# Altium PCB flexi_ethernet_w5500_solo.pcbdoc (part 6 of 7) (continued)
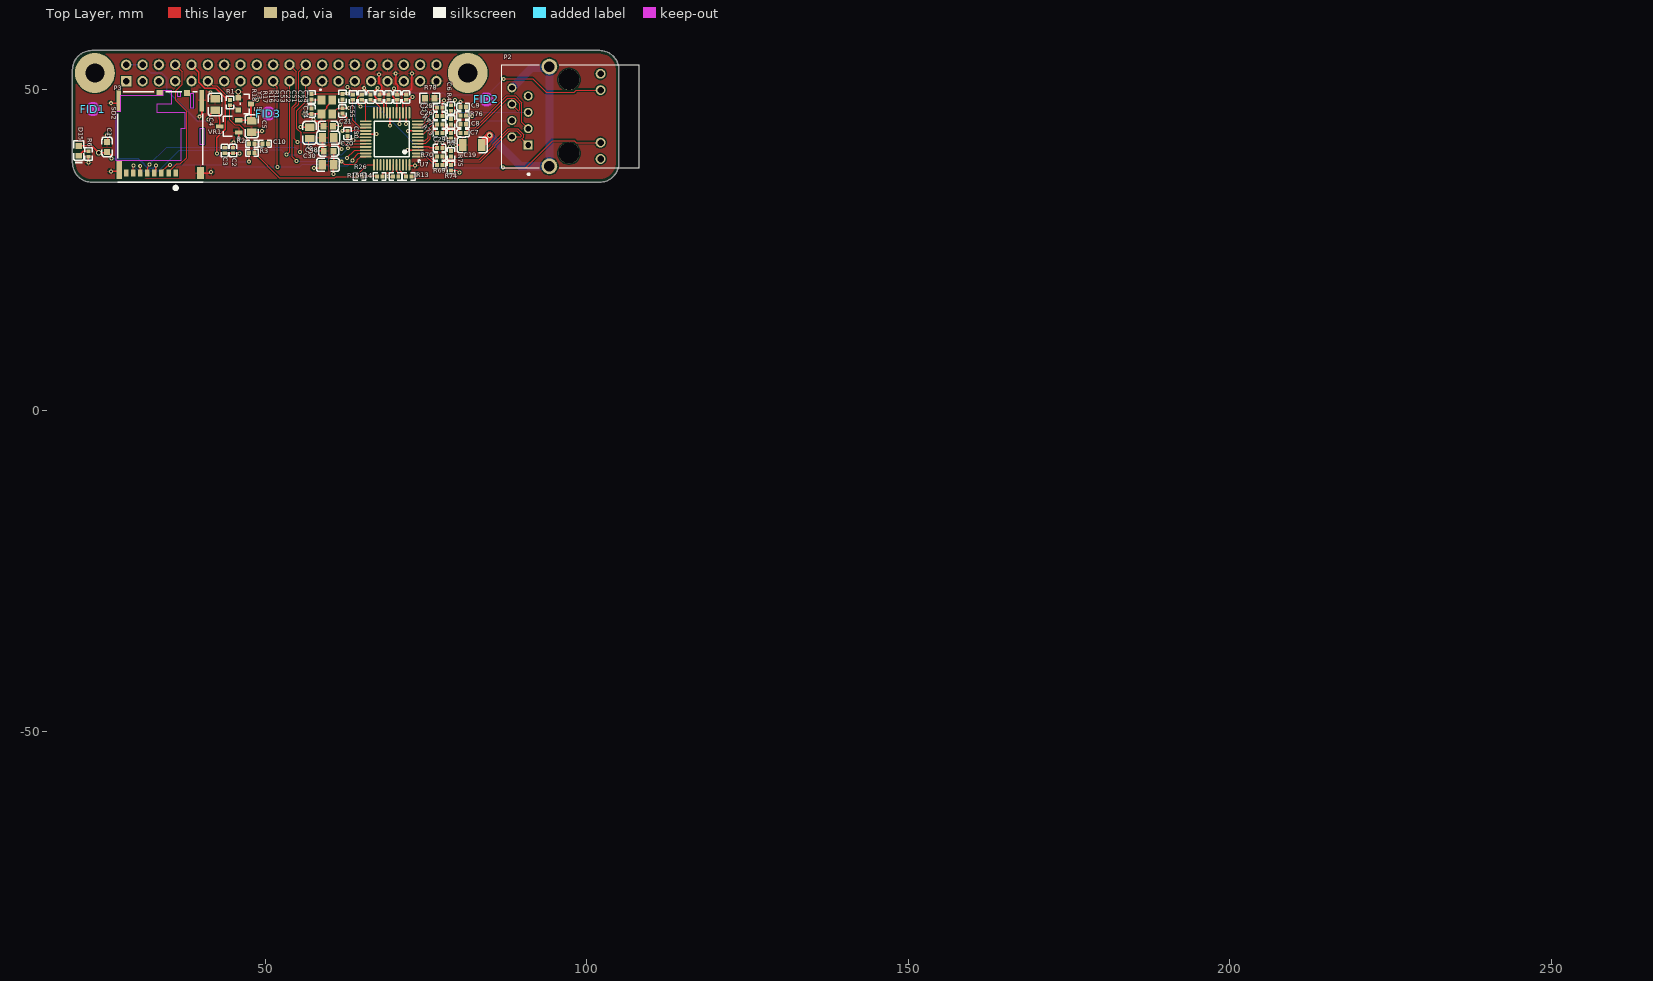
[diagram p0: Top Layer view]
## Free pads (board coordinates) (continued)
1(248.261,-74.042) 1(248.273,-78.78) 1(248.273,-78.78) 1(248.283,-72.633) 1(248.283,-72.633) 1(248.306,-72.655) 1(248.306,-72.655) 1(248.318,-74.053) 1(248.318,-74.053) 1(248.34,-72.655) 1(248.34,-72.655) 1(248.375,-78.745) 1(248.375,-78.745) 1(248.443,-72.702) 1(248.443,-72.702) 1(248.454,-77.711) 1(248.454,-77.711) 1(248.465,-74.132) 1(248.465,-74.132) 1(248.477,-78.734) 1(248.477,-78.734) 1(248.488,-72.702) 1(248.488,-72.702) 1(248.5,-77.689) 1(248.5,-77.689) 1(248.534,-72.735) 1(248.534,-72.735) 1(248.557,-74.156) 1(248.557,-74.156) 1(248.567,-72.735) 1(248.567,-72.735) 1(248.579,-78.7) 1(248.579,-78.7) 1(248.59,-72.758) 1(248.59,-72.758) 1(248.624,-72.758) 1(248.624,-72.758) 1(248.647,-77.678) 1(248.647,-77.678) 1(248.647,-74.212) 1(248.647,-74.212) 1(248.647,-72.781) 1(248.647,-72.781) 1(248.681,-78.689) 1(248.681,-78.689) 1(248.681,-72.781) 1(248.681,-72.781) 1(248.704,-74.224) 1(248.704,-74.224) 1(248.704,-72.804) 1(248.704,-72.804) 1(248.738,-72.804) 1(248.738,-72.804) 1(248.784,-78.655) 1(248.784,-78.655) 1(248.806,-77.632) 1(248.806,-77.632) 1(248.818,-74.292) 1(248.818,-74.292) 1(248.818,-72.849) 1(248.818,-72.849) 1(248.851,-72.849) 1(248.851,-72.849) 1(248.875,-74.303) 1(248.875,-74.303) 1(248.875,-72.872) 1(248.875,-72.872) 1(248.886,-78.643) 1(248.886,-78.643) 1(248.908,-72.872) 1(248.908,-72.872) 1(248.931,-74.337) 1(248.931,-74.337) 1(248.954,-77.621) 1(248.954,-77.621) 1(248.988,-78.61) 1(248.988,-78.61) 1(248.988,-74.349) 1(248.988,-74.349) 1(249.022,-72.939) 1(249.022,-72.939) 1(249.056,-72.939) 1(249.056,-72.939) 1(249.079,-74.406) 1(249.079,-74.406) 1(249.079,-72.963) 1(249.079,-72.963) 1(249.09,-78.598) 1(249.09,-78.598) 1(249.113,-77.575) 1(249.113,-77.575) 1(249.113,-72.963) 1(249.113,-72.963) 1(249.135,-74.416) 1(249.135,-74.416) 1(249.135,-72.986) 1(249.135,-72.986) 1(249.17,-72.986) 1(249.17,-72.986) 1(249.249,-78.553) 1(249.249,-78.553) 1(249.272,-77.552) 1(249.272,-77.552) 1(249.397,-74.553) 1(249.397,-74.553) 1(249.409,-78.53) 1(249.409,-78.53) 1(249.42,-77.507) 1(249.42,-77.507) 1(249.454,-73.133) 1(249.454,-73.133) 1(249.488,-73.133) 1(249.488,-73.133) 1(249.568,-74.644) 1(249.568,-74.644) 1(249.625,-74.655) 1(249.625,-74.655) 1(249.636,-77.484) 1(249.636,-77.484) 1(249.727,-78.439) 1(249.727,-78.439) 1(249.738,-73.27) 1(249.738,-73.27) 1(249.772,-73.27) 1(249.772,-73.27) 1(249.817,-77.439) 1(249.817,-77.439) 1(249.886,-73.337) 1(249.886,-73.337) 1(249.897,-77.405) 1(249.897,-77.405) 1(249.92,-73.337) 1(249.92,-73.337) 1(249.931,-73.36) 1(249.931,-73.36) 1(249.954,-73.36) 1(249.954,-73.36) 1(249.965,-74.837) 1(249.965,-74.837) 1(249.988,-73.394) 1(249.988,-73.394) 1(250.011,-73.394) 1(250.011,-73.394) 1(250.091,-73.451) 1(250.091,-73.451) 1(250.113,-73.451) 1(250.113,-73.451) 1(250.215,-77.348) 1(250.215,-77.348) 1(250.318,-73.564) 1(250.318,-73.564) 1(250.352,-73.564) 1(250.352,-73.564) 1(250.363,-73.587) 1(250.363,-73.587) 1(250.385,-73.587) 1(250.385,-73.587) 1(250.42,-73.621) 1(250.42,-73.621) 1(250.431,-75.064) 1(250.431,-75.064) 1(250.442,-73.621) 1(250.442,-73.621) 1(250.465,-77.291) 1(250.465,-77.291) 1(250.465,-75.098) 1(250.465,-75.098) 1(250.499,-75.11) 1(250.499,-75.11) 1(250.522,-73.678) 1(250.522,-73.678) 1(250.545,-77.257) 1(250.545,-77.257) 1(250.545,-73.678) 1(250.545,-73.678) 1(250.579,-75.167) 1(250.579,-75.167) 1(250.647,-73.735) 1(250.647,-73.735) 1(250.659,-75.212) 1(250.659,-75.212) 1(250.681,-73.769) 1(250.681,-73.769) 1(250.704,-73.769) 1(250.704,-73.769) 1(250.738,-73.803) 1(250.738,-73.803) 1(250.761,-78.177) 1(250.761,-78.177) 1(250.761,-73.803) 1(250.761,-73.803) 1(250.794,-73.838) 1(250.794,-73.838) 1(250.818,-73.838) 1(250.818,-73.838) 1(250.84,-78.166) 1(250.84,-78.166) 1(250.851,-73.871) 1(250.851,-73.871) 1(250.874,-77.2) 1(250.874,-77.2) 1(250.874,-73.871) 1(250.874,-73.871) 1(250.896,-75.337) 1(250.896,-75.337) 1(250.92,-78.132) 1(250.92,-78.132) 1(250.965,-73.928) 1(250.965,-73.928) 1(250.976,-75.382) 1(250.976,-75.382) 1(250.999,-78.12) 1(250.999,-78.12) 1(251.045,-77.143) 1(251.045,-77.143) 1(251.045,-73.985) 1(251.045,-73.985) 1(251.056,-75.428) 1(251.056,-75.428) 1(251.067,-73.985) 1(251.067,-73.985) 1(251.078,-78.087) 1(251.078,-78.087) 1(251.078,-74.008) 1(251.078,-74.008) 1(251.102,-74.008) 1(251.102,-74.008) 1(251.135,-75.474) 1(251.135,-75.474) 1(251.135,-74.042) 1(251.135,-74.042) 1(251.158,-78.075) 1(251.158,-78.075) 1(251.158,-74.042) 1(251.158,-74.042) 1(251.215,-77.109) 1(251.215,-77.109) 1(251.215,-75.519) 1(251.215,-75.519) 1(251.237,-78.041) 1(251.237,-78.041) 1(251.249,-74.099) 1(251.249,-74.099) 1(251.294,-75.564) 1(251.294,-75.564) 1(251.317,-78.03) 1(251.317,-78.03) 1(251.329,-74.156) 1(251.329,-74.156) 1(251.351,-74.156) 1(251.351,-74.156) 1(251.362,-74.179) 1(251.362,-74.179) 1(251.374,-75.609) 1(251.374,-75.609) 1(251.386,-74.179) 1(251.386,-74.179) 1(251.397,-77.995) 1(251.397,-77.995) 1(251.397,-74.201) 1(251.397,-74.201) 1(251.419,-74.201) 1(251.419,-74.201) 1(251.431,-75.632) 1(251.431,-75.632) 1(251.431,-74.224) 1(251.431,-74.224) 1(251.454,-77.053) 1(251.454,-77.053) 1(251.454,-74.224) 1(251.454,-74.224) 1(251.465,-74.246) 1(251.465,-74.246) 1(251.476,-77.985) 1(251.476,-77.985) 1(251.488,-74.246) 1(251.488,-74.246) 1(251.499,-74.269) 1(251.499,-74.269) 1(251.511,-75.689) 1(251.511,-75.689) 1(251.521,-74.269) 1(251.521,-74.269) 1(251.533,-77.019) 1(251.533,-77.019) 1(251.533,-74.292) 1(251.533,-74.292) 1(251.544,-75.701) 1(251.544,-75.701) 1(251.556,-77.95) 1(251.556,-77.95) 1(251.556,-74.292) 1(251.556,-74.292) 1(251.59,-74.326) 1(251.59,-74.326) 1(251.613,-74.326) 1(251.613,-74.326) 1(251.635,-77.938) 1(251.635,-77.938) 1(251.635,-77.007) 1(251.635,-77.007) 1(251.635,-75.769) 1(251.635,-75.769) 1(251.658,-74.371) 1(251.658,-74.371) 1(251.681,-74.371) 1(251.681,-74.371) 1(251.703,-74.406) 1(251.703,-74.406) 1(251.715,-76.973) 1(251.715,-76.973) 1(251.715,-75.814) 1(251.715,-75.814) 1(251.726,-74.406) 1(251.726,-74.406) 1(251.749,-74.44) 1(251.749,-74.44) 1(251.76,-77.893) 1(251.76,-77.893) 1(251.772,-75.837) 1(251.772,-75.837) 1(251.772,-74.44) 1(251.772,-74.44) 1(251.783,-74.463) 1(251.783,-74.463) 1(251.805,-74.463) 1(251.805,-74.463) 1(251.817,-74.485) 1(251.817,-74.485) 1(251.84,-74.485) 1(251.84,-74.485) 1(251.852,-75.893) 1(251.852,-75.893) 1(251.874,-76.951) 1(251.874,-76.951) 1(251.874,-74.519) 1(251.874,-74.519) 1(251.885,-77.871) 1(251.885,-77.871) 1(251.897,-74.519) 1(251.897,-74.519) 1(251.931,-75.928) 1(251.931,-75.928) 1(251.942,-74.565) 1(251.942,-74.565) 1(251.965,-77.836) 1(251.965,-77.836) 1(251.965,-75.962) 1(251.965,-75.962) 1(251.965,-74.565) 1(251.965,-74.565) 1(251.987,-74.598) 1(251.987,-74.598) 1(251.999,-76.905) 1(251.999,-76.905) 1(251.999,-75.973) 1(251.999,-75.973) 1(252.01,-74.598) 1(252.01,-74.598) 1(252.033,-76.007) 1(252.033,-76.007) 1(252.033,-74.633) 1(252.033,-74.633) 1(252.044,-77.825) 1(252.044,-77.825) 1(252.056,-74.633) 1(252.056,-74.633) 1(252.067,-76.019) 1(252.067,-76.019) 1(252.067,-74.655) 1(252.067,-74.655) 1(252.089,-74.655) 1(252.089,-74.655) 1(252.101,-76.053) 1(252.101,-76.053) 1(252.101,-74.678) 1(252.101,-74.678) 1(252.124,-77.791) 1(252.124,-77.791) 1(252.124,-76.882) 1(252.124,-76.882) 1(252.124,-74.678) 1(252.124,-74.678) 1(252.136,-76.064) 1(252.136,-76.064) 1(252.158,-74.712) 1(252.158,-74.712) 1(252.169,-76.098) 1(252.169,-76.098) 1(252.181,-74.712) 1(252.181,-74.712) 1(252.203,-77.78) 1(252.203,-77.78) 1(252.203,-76.849) 1(252.203,-76.849) 1(252.203,-76.11) 1(252.203,-76.11) 1(252.226,-74.757) 1(252.226,-74.757) 1(252.249,-74.757) 1(252.249,-74.757) 1(252.271,-74.792) 1(252.271,-74.792) 1(252.283,-77.746) 1(252.283,-77.746) 1(252.294,-76.177) 1(252.294,-76.177) 1(252.294,-74.792) 1(252.294,-74.792) 1(252.317,-74.826) 1(252.317,-74.826) 1(252.328,-76.189) 1(252.328,-76.189) 1(252.34,-74.826) 1(252.34,-74.826) 1(252.351,-74.849) 1(252.351,-74.849) 1(252.363,-77.734) 1(252.363,-77.734) 1(252.373,-76.814) 1(252.373,-76.814) 1(252.373,-74.849) 1(252.373,-74.849) 1(252.385,-74.871) 1(252.385,-74.871) 1(252.408,-76.246) 1(252.408,-76.246) 1(252.408,-74.871) 1(252.408,-74.871) 1(252.42,-74.894) 1(252.42,-74.894) 1(252.442,-77.701) 1(252.442,-77.701) 1(252.442,-76.257) 1(252.442,-76.257) 1(252.442,-74.894) 1(252.442,-74.894) 1(252.453,-74.917) 1(252.453,-74.917) 1(252.476,-74.917) 1(252.476,-74.917) 1(252.499,-74.951) 1(252.499,-74.951) 1(252.522,-77.689) 1(252.522,-77.689) 1(252.522,-76.314) 1(252.522,-76.314) 1(252.522,-74.951) 1(252.522,-74.951) 1(252.544,-76.757) 1(252.544,-76.757) 1(252.544,-74.985) 1(252.544,-74.985) 1(252.555,-76.326) 1(252.555,-76.326) 1(252.567,-74.985) 1(252.567,-74.985) 1(252.59,-76.359) 1(252.59,-76.359) 1(252.59,-75.019) 1(252.59,-75.019) 1(252.601,-77.654) 1(252.601,-77.654) 1(252.612,-75.019) 1(252.612,-75.019) 1(252.624,-76.371) 1(252.624,-76.371) 1(252.635,-75.053) 1(252.635,-75.053) 1(252.658,-76.405) 1(252.658,-76.405) 1(252.658,-75.053) 1(252.658,-75.053) 1(252.669,-76.735) 1(252.669,-76.735) 1(252.669,-75.076) 1(252.669,-75.076) 1(252.681,-77.644) 1(252.681,-77.644) 1(252.692,-76.416) 1(252.692,-76.416) 1(252.692,-75.076) 1(252.692,-75.076) 1(252.704,-75.098) 1(252.704,-75.098) 1(252.726,-76.451) 1(252.726,-76.451) 1(252.726,-75.098) 1(252.726,-75.098) 1(252.737,-75.121) 1(252.737,-75.121) 1(252.749,-77.609) 1(252.749,-77.609) 1(252.76,-76.462) 1(252.76,-76.462) 1(252.76,-75.121) 1(252.76,-75.121) 1(252.783,-75.155) 1(252.783,-75.155) 1(252.794,-76.689) 1(252.794,-76.689) 1(252.794,-76.496) 1(252.794,-76.496) 1(252.806,-75.155) 1(252.806,-75.155) 1(252.828,-77.598) 1(252.828,-77.598) 1(252.828,-76.508) 1(252.828,-76.508) 1(252.828,-75.19) 1(252.828,-75.19) 1(252.851,-75.19) 1(252.851,-75.19) 1(252.863,-76.541) 1(252.863,-76.541) 1(252.874,-76.678) 1(252.874,-76.678) 1(252.874,-75.223) 1(252.874,-75.223) 1(252.896,-75.223) 1(252.896,-75.223) 1(252.919,-75.258) 1(252.919,-75.258) 1(252.931,-77.552) 1(252.931,-77.552) 1(252.942,-75.258) 1(252.942,-75.258) 1(252.953,-76.598) 1(252.953,-76.598) 1(252.965,-75.292) 1(252.965,-75.292) 1(252.988,-76.61) 1(252.988,-76.61) 1(252.988,-75.292) 1(252.988,-75.292) 1(252.998,-76.643) 1(252.998,-76.643) 1(253.01,-77.541) 1(253.01,-77.541) 1(253.01,-75.325) 1(253.01,-75.325) 1(253.033,-75.325) 1(253.033,-75.325) 1(253.055,-75.36) 1(253.055,-75.36) 1(253.078,-75.36) 1(253.078,-75.36) 1(253.101,-75.394) 1(253.101,-75.394) 1(253.124,-75.394) 1(253.124,-75.394) 1(253.147,-75.428) 1(253.147,-75.428) 1(253.169,-75.428) 1(253.169,-75.428) 1(253.215,-75.485) 1(253.215,-75.485) 1(253.237,-75.485) 1(253.237,-75.485) 1(253.282,-75.542) 1(253.282,-75.542) 1(253.305,-75.542) 1(253.305,-75.542) 1(253.329,-77.427) 1(253.329,-77.427) 1(253.329,-75.576) 1(253.329,-75.576) 1(253.351,-75.576) 1(253.351,-75.576) 1(253.374,-75.609) 1(253.374,-75.609) 1(253.396,-75.609) 1(253.396,-75.609) 1(253.408,-77.417) 1(253.408,-77.417) 1(253.419,-75.644) 1(253.419,-75.644) 1(253.442,-75.644) 1(253.442,-75.644) 1(253.464,-75.678) 1(253.464,-75.678) 1(253.487,-77.382) 1(253.487,-77.382) 1(253.487,-75.678) 1(253.487,-75.678) 1(253.51,-75.712) 1(253.51,-75.712) 1(253.533,-75.712) 1(253.533,-75.712) 1(253.556,-75.746) 1(253.556,-75.746) 1(253.566,-77.37) 1(253.566,-77.37) 1(253.578,-75.746) 1(253.578,-75.746) 1(253.623,-75.803) 1(253.623,-75.803) 1(253.646,-75.803) 1(253.646,-75.803) 1(253.68,-75.848) 1(253.68,-75.848) 1(253.703,-75.848) 1(253.703,-75.848) 1(253.748,-75.905) 1(253.748,-75.905) 1(253.771,-75.905) 1(253.771,-75.905) 1(253.817,-75.962) 1(253.817,-75.962) 1(253.84,-75.962) 1(253.84,-75.962) 1(253.862,-75.996) 1(253.862,-75.996) 1(253.885,-75.996) 1(253.885,-75.996) 1(253.907,-77.246) 1(253.907,-77.246) 1(253.907,-76.03) 1(253.907,-76.03) 1(253.93,-76.03) 1(253.93,-76.03) 1(253.942,-77.257) 1(253.942,-77.257) 1(253.953,-76.064) 1(253.953,-76.064) 1(253.976,-77.268) 1(253.976,-77.268) 1(253.976,-76.064) 1(253.976,-76.064) 1(254.021,-77.314) 1(254.021,-77.314) 1(254.056,-77.325) 1(254.056,-77.325) 1(254.067,-76.167) 1(254.067,-76.167) 1(254.089,-77.36) 1(254.089,-77.36) 1(254.089,-76.167) 1(254.089,-76.167) 1(254.101,-76.189) 1(254.101,-76.189) 1(254.124,-77.37) 1(254.124,-77.37) 1(254.124,-76.189) 1(254.124,-76.189) 1(254.158,-77.405) 1(254.158,-77.405) 1(254.169,-76.246) 1(254.169,-76.246) 1(254.191,-77.417) 1(254.191,-77.417) 1(254.191,-76.246) 1(254.191,-76.246) 1(254.214,-76.28) 1(254.214,-76.28) 1(254.226,-77.45) 1(254.226,-77.45) 1(254.237,-76.28) 1(254.237,-76.28) 1(254.248,-76.303) 1(254.248,-76.303) 1(254.26,-77.462) 1(254.26,-77.462) 1(254.294,-77.496) 1(254.294,-77.496) 1(254.328,-77.507) 1(254.328,-77.507) 1(254.373,-77.552) 1(254.373,-77.552) 1(254.408,-77.564) 1(254.408,-77.564) 1(254.43,-76.257) 1(254.43,-76.257) 1(254.442,-77.598) 1(254.442,-77.598) 1(254.475,-77.609) 1(254.475,-77.609) 1(254.51,-76.224) 1(254.51,-76.224) 1(254.521,-77.654) 1(254.521,-77.654) 1(254.555,-77.666) 1(254.555,-77.666) 1(254.589,-77.701) 1(254.589,-77.701) 1(254.589,-76.212) 1(254.589,-76.212) 1(254.624,-77.711) 1(254.624,-77.711) 1(254.635,-77.734) 1(254.635,-77.734) 1(254.669,-77.746) 1(254.669,-77.746) 1(254.669,-76.177) 1(254.669,-76.177) 1(254.703,-77.78) 1(254.703,-77.78) 1(254.737,-77.791) 1(254.737,-77.791) 1(254.749,-76.167) 1(254.749,-76.167) 1(254.782,-77.836) 1(254.782,-77.836) 1(254.828,-76.132) 1(254.828,-76.132) 1(254.873,-77.893) 1(254.873,-77.893) 1(254.908,-77.905) 1(254.908,-77.905) 1(254.908,-76.121) 1(254.908,-76.121) 1(254.919,-77.928) 1(254.919,-77.928) 1(254.953,-77.938) 1(254.953,-77.938) 1(254.964,-77.962) 1(254.964,-77.962) 1(254.964,-76.905) 1(254.964,-76.905) 1(254.976,-76.928) 1(254.976,-76.928) 1(254.987,-76.087) 1(254.987,-76.087) 1(254.998,-77.973) 1(254.998,-77.973) 1(254.998,-76.928) 1(254.998,-76.928) 1(255.01,-77.995) 1(255.01,-77.995) 1(255.043,-78.007) 1(255.043,-78.007) 1(255.055,-78.03) 1(255.055,-78.03) 1(255.066,-76.075) 1(255.066,-76.075) 1(255.09,-78.041) 1(255.09,-78.041) 1(255.1,-78.064) 1(255.1,-78.064) 1(255.1,-77.041) 1(255.1,-77.041) 1(255.123,-77.041) 1(255.123,-77.041) 1(255.135,-78.075) 1(255.135,-78.075) 1(255.146,-78.098) 1(255.146,-78.098) 1(255.169,-77.098) 1(255.169,-77.098) 1(255.18,-78.109) 1(255.18,-78.109) 1(255.18,-76.03) 1(255.18,-76.03) 1(255.192,-77.098) 1(255.192,-77.098) 1(255.225,-78.155) 1(255.225,-78.155) 1(255.26,-78.166) 1(255.26,-78.166) 1(255.26,-77.178) 1(255.26,-77.178) 1(255.26,-76.019) 1(255.26,-76.019) 1(255.282,-77.178) 1(255.282,-77.178) 1(255.305,-78.212) 1(255.305,-78.212) 1(255.339,-78.223) 1(255.339,-78.223) 1(255.339,-75.985) 1(255.339,-75.985) 1(255.35,-78.246) 1(255.35,-78.246) 1(255.362,-77.268) 1(255.362,-77.268) 1(255.384,-78.257) 1(255.384,-78.257) 1(255.384,-77.268) 1(255.384,-77.268) 1(255.419,-78.291) 1(255.419,-78.291) 1(255.419,-76.746) 1(255.419,-76.746) 1(255.419,-75.973) 1(255.419,-75.973) 1(255.453,-78.302) 1(255.453,-78.302) 1(255.453,-77.348) 1(255.453,-77.348) 1(255.453,-75.95) 1(255.453,-75.95) 1(255.476,-77.348) 1(255.476,-77.348) 1(255.498,-78.348) 1(255.498,-78.348) 1(255.532,-78.359) 1(255.532,-78.359) 1(255.578,-78.405) 1(255.578,-78.405) 1(255.578,-75.928) 1(255.578,-75.928) 1(255.589,-77.473) 1(255.589,-77.473) 1(255.611,-78.416) 1(255.611,-78.416) 1(255.611,-77.473) 1(255.611,-77.473) 1(255.623,-78.439) 1(255.623,-78.439) 1(255.646,-77.519) 1(255.646,-77.519) 1(255.658,-78.45) 1(255.658,-78.45) 1(255.658,-75.893) 1(255.658,-75.893) 1(255.668,-77.519) 1(255.668,-77.519) 1(255.691,-78.484) 1(255.691,-78.484) 1(255.714,-76.643) 1(255.714,-76.643) 1(255.725,-78.496) 1(255.725,-78.496) 1(255.737,-78.518) 1(255.737,-78.518) 1(255.737,-77.598) 1(255.737,-77.598) 1(255.737,-75.883) 1(255.737,-75.883) 1(255.76,-77.598) 1(255.76,-77.598) 1(255.771,-78.53) 1(255.771,-78.53) 1(255.771,-77.632) 1(255.771,-77.632) 1(255.782,-77.632) 1(255.782,-77.632) 1(255.805,-78.563) 1(255.805,-78.563) 1(255.817,-75.848) 1(255.817,-75.848) 1(255.839,-78.575) 1(255.839,-78.575) 1(255.839,-77.701) 1(255.839,-77.701) 1(255.862,-77.701) 1(255.862,-77.701) 1(255.873,-76.598) 1(255.873,-76.598) 1(255.885,-78.62) 1(255.885,-78.62) 1(255.895,-75.837) 1(255.895,-75.837) 1(255.919,-78.632) 1(255.919,-78.632) 1(255.952,-78.666) 1(255.952,-78.666) 1(255.975,-75.803) 1(255.975,-75.803) 1(255.987,-78.677) 1(255.987,-78.677) 1(255.999,-78.7) 1(255.999,-78.7) 1(255.999,-76.541) 1(255.999,-76.541) 1(256.032,-78.712) 1(256.032,-78.712) 1(256.032,-77.882) 1(256.032,-77.882) 1(256.055,-77.882) 1(256.055,-77.882) 1(256.055,-75.791) 1(256.055,-75.791) 1(256.078,-78.757) 1(256.078,-78.757) 1(256.112,-78.768) 1(256.112,-78.768) 1(256.123,-78.791) 1(256.123,-78.791) 1(256.134,-75.758) 1(256.134,-75.758) 1(256.146,-77.985) 1(256.146,-77.985) 1(256.157,-78.802) 1(256.157,-78.802) 1(256.157,-76.496) 1(256.157,-76.496) 1(256.169,-77.985) 1(256.169,-77.985) 1(256.203,-78.847) 1(256.203,-78.847) 1(256.214,-75.746) 1(256.214,-75.746) 1(256.236,-78.859) 1(256.236,-78.859) 1(256.248,-75.723) 1(256.248,-75.723) 1(256.259,-78.894) 1(256.259,-78.894) 1(256.283,-78.109) 1(256.283,-78.109) 1(256.283,-76.439) 1(256.283,-76.439) 1(256.293,-78.904) 1(256.293,-78.904) 1(256.305,-78.927) 1(256.305,-78.927) 1(256.305,-78.109) 1(256.305,-78.109) 1(256.328,-75.712) 1(256.328,-75.712) 1(256.339,-78.939) 1(256.339,-78.939) 1(256.35,-78.961) 1(256.35,-78.961) 1(256.385,-78.973) 1(256.385,-78.973) 1(256.396,-78.996) 1(256.396,-78.996) 1(256.407,-78.223) 1(256.407,-78.223) 1(256.43,-79.007) 1(256.43,-79.007) 1(256.43,-78.223) 1(256.43,-78.223) 1(256.441,-79.029) 1(256.441,-79.029) 1(256.441,-76.394) 1(256.441,-76.394) 1(256.441,-75.666) 1(256.441,-75.666) 1(256.475,-79.041) 1(256.475,-79.041) 1(256.52,-79.086) 1(256.52,-79.086) 1(256.52,-75.656) 1(256.52,-75.656) 1(256.555,-79.098) 1(256.555,-79.098) 1(256.567,-76.337) 1(256.567,-76.337) 1(256.577,-78.382) 1(256.577,-78.382) 1(256.6,-79.143) 1(256.6,-79.143) 1(256.6,-78.382) 1(256.6,-78.382) 1(256.634,-79.155) 1(256.634,-79.155) 1(256.634,-75.609) 1(256.634,-75.609) 1(256.68,-79.2) 1(256.68,-79.2) 1(256.702,-78.496) 1(256.702,-78.496) 1(256.714,-79.211) 1(256.714,-79.211) 1(256.714,-75.599) 1(256.714,-75.599) 1(256.725,-79.234) 1(256.725,-79.234) 1(256.725,-78.496) 1(256.725,-78.496) 1(256.759,-79.245) 1(256.759,-79.245) 1(256.771,-79.268) 1(256.771,-79.268) 1(256.794,-75.564) 1(256.794,-75.564) 1(256.804,-79.28) 1(256.804,-79.28) 1(256.816,-79.302) 1(256.816,-79.302) 1(256.851,-79.313) 1(256.851,-79.313) 1(256.861,-79.336) 1(256.861,-79.336) 1(256.873,-75.553) 1(256.873,-75.553) 1(256.896,-79.348) 1(256.896,-79.348) 1(256.907,-79.37) 1(256.907,-79.37) 1(256.907,-75.53) 1(256.907,-75.53) 1(256.93,-76.224) 1(256.93,-76.224) 1(256.941,-79.382) 1(256.941,-79.382) 1(256.953,-79.405) 1(256.953,-79.405) 1(256.986,-79.415) 1(256.986,-79.415) 1(256.986,-78.768) 1(256.986,-78.768) 1(256.986,-76.189) 1(256.986,-76.189) 1(256.986,-75.519) 1(256.986,-75.519) 1(256.998,-79.439) 1(256.998,-79.439) 1(257.009,-78.768) 1(257.009,-78.768) 1(257.032,-79.45) 1(257.032,-79.45) 1(257.043,-79.472) 1(257.043,-79.472) 1(257.043,-76.177) 1(257.043,-76.177) 1(257.066,-75.485) 1(257.066,-75.485) 1(257.078,-79.484) 1(257.078,-79.484) 1(257.1,-76.144) 1(257.1,-76.144) 1(257.123,-79.529) 1(257.123,-79.529) 1(257.123,-78.894) 1(257.123,-78.894) 1(257.145,-78.894) 1(257.145,-78.894) 1(257.145,-75.474) 1(257.145,-75.474) 1(257.157,-79.541) 1(257.157,-79.541) 1(257.168,-79.564) 1(257.168,-79.564) 1(257.18,-75.451) 1(257.18,-75.451) 1(257.202,-79.575) 1(257.202,-79.575) 1(257.214,-79.597) 1(257.214,-79.597) 1(257.248,-79.609) 1(257.248,-79.609) 1(257.259,-79.632) 1(257.259,-79.632) 1(257.293,-79.643) 1(257.293,-79.643) 1(257.305,-75.428) 1(257.305,-75.428) 1(257.339,-79.689) 1(257.339,-79.689) 1(257.362,-79.121) 1(257.362,-79.121) 1(257.362,-76.064) 1(257.362,-76.064) 1(257.372,-79.7) 1(257.372,-79.7) 1(257.384,-79.121) 1(257.384,-79.121) 1(257.384,-75.394) 1(257.384,-75.394) 1(257.396,-79.734) 1(257.396,-79.734) 1(257.429,-79.746) 1(257.429,-79.746) 1(257.441,-79.768) 1(257.441,-79.768) 1(257.464,-75.382) 1(257.464,-75.382) 1(257.476,-79.779) 1(257.476,-79.779) 1(257.486,-79.802) 1(257.486,-79.802) 1(257.486,-76.007) 1(257.486,-76.007) 1(257.521,-79.813) 1(257.521,-79.813) 1(257.521,-79.268) 1(257.521,-79.268) 1(257.532,-79.836) 1(257.532,-79.836) 1(257.543,-79.268) 1(257.543,-79.268) 1(257.543,-75.348) 1(257.543,-75.348) 1(257.566,-79.848) 1(257.566,-79.848) 1(257.577,-79.87) 1(257.577,-79.87) 1(257.611,-79.881) 1(257.611,-79.881) 1(257.611,-79.348) 1(257.611,-79.348) 1(257.611,-75.973) 1(257.611,-75.973) 1(257.623,-79.905) 1(257.623,-79.905) 1(257.623,-75.337) 1(257.623,-75.337) 1(257.634,-79.348) 1(257.634,-79.348) 1(257.656,-79.916) 1(257.656,-79.916) 1(257.668,-79.938) 1(257.668,-79.938) 1(257.703,-79.95) 1(257.703,-79.95) 1(257.703,-75.303) 1(257.703,-75.303) 1(257.713,-79.973) 1(257.713,-79.973) 1(257.736,-75.917) 1(257.736,-75.917) 1(257.748,-79.984) 1(257.748,-79.984) 1(257.76,-80.007) 1(257.76,-80.007) 1(257.782,-75.292) 1(257.782,-75.292) 1(257.793,-80.018) 1(257.793,-80.018) 1(257.805,-80.04) 1(257.805,-80.04) 1(257.838,-80.052) 1(257.838,-80.052) 1(257.862,-75.883) 1(257.862,-75.883) 1(257.862,-75.258) 1(257.862,-75.258) 1(257.884,-80.097) 1(257.884,-80.097) 1(257.895,-79.621) 1(257.895,-79.621) 1(257.918,-80.109) 1(257.918,-80.109) 1(257.918,-79.621) 1(257.918,-79.621) 1(257.918,-75.848) 1(257.918,-75.848) 1(257.93,-80.132) 1(257.93,-80.132) 1(257.94,-75.246) 1(257.94,-75.246) 1(257.964,-80.143) 1(257.964,-80.143) 1(257.975,-80.166) 1(257.975,-80.166) 1(257.975,-75.837) 1(257.975,-75.837) 1(257.997,-79.711) 1(257.997,-79.711) 1(258.009,-80.177) 1(258.009,-80.177) 1(258.02,-79.711) 1(258.02,-79.711) 1(258.02,-75.212) 1(258.02,-75.212) 1(258.032,-75.803) 1(258.032,-75.803) 1(258.054,-80.222) 1(258.054,-80.222) 1(258.089,-80.234) 1(258.089,-80.234) 1(258.089,-75.791) 1(258.089,-75.791) 1(258.1,-80.257) 1(258.1,-80.257) 1(258.1,-75.201) 1(258.1,-75.201) 1(258.123,-79.825) 1(258.123,-79.825) 1(258.134,-80.268) 1(258.134,-80.268) 1(258.146,-80.291) 1(258.146,-80.291) 1(258.146,-79.825) 1(258.146,-79.825) 1(258.146,-75.758) 1(258.146,-75.758) 1(258.179,-80.302) 1(258.179,-80.302) 1(258.179,-75.167) 1(258.179,-75.167) 1(258.202,-75.746) 1(258.202,-75.746) 1(258.225,-80.347) 1(258.225,-80.347) 1(258.259,-80.359) 1(258.259,-80.359) 1(258.259,-75.712) 1(258.259,-75.712) 1(258.271,-80.381) 1(258.271,-80.381) 1(258.305,-80.393) 1(258.305,-80.393) 1(258.305,-75.144) 1(258.305,-75.144) 1(258.316,-75.701) 1(258.316,-75.701) 1(258.338,-80.03) 1(258.338,-80.03) 1(258.35,-80.438) 1(258.35,-80.438) 1(258.361,-80.03) 1(258.361,-80.03) 1(258.373,-75.666) 1(258.373,-75.666) 1(258.384,-80.45) 1(258.384,-80.45) 1(258.384,-75.11) 1(258.384,-75.11) 1(258.407,-80.484) 1(258.407,-80.484) 1(258.43,-75.656) 1(258.43,-75.656) 1(258.441,-80.495) 1(258.441,-80.495) 1(258.452,-80.518) 1(258.452,-80.518) 1(258.463,-75.098) 1(258.463,-75.098) 1(258.486,-80.529) 1(258.486,-80.529) 1(258.486,-75.621) 1(258.486,-75.621) 1(258.509,-80.563) 1(258.509,-80.563) 1(258.52,-80.2) 1(258.52,-80.2) 1(258.543,-80.575) 1(258.543,-80.575) 1(258.543,-80.2) 1(258.543,-80.2) 1(258.543,-75.609) 1(258.543,-75.609) 1(258.543,-75.064) 1(258.543,-75.064) 1(258.555,-80.598) 1(258.555,-80.598) 1(258.589,-80.608) 1(258.589,-80.608) 1(258.6,-80.632) 1(258.6,-80.632) 1(258.612,-80.279) 1(258.612,-80.279) 1(258.622,-75.053) 1(258.622,-75.053) 1(258.634,-80.643) 1(258.634,-80.643) 1(258.634,-80.279) 1(258.634,-80.279) 1(258.634,-75.564) 1(258.634,-75.564) 1(258.645,-80.665) 1(258.645,-80.665) 1(258.679,-80.677) 1(258.679,-80.677) 1(258.691,-75.553) 1(258.691,-75.553) 1(258.725,-80.722) 1(258.725,-80.722) 1(258.747,-75.519) 1(258.747,-75.519) 1(258.747,-75.008) 1(258.747,-75.008) 1(258.759,-80.734) 1(258.759,-80.734) 1(258.804,-80.779) 1(258.804,-80.779) 1(258.804,-75.507) 1(258.804,-75.507) 1(258.827,-74.996) 1(258.827,-74.996) 1(258.839,-80.79) 1(258.839,-80.79) 1(258.849,-80.813) 1(258.849,-80.813) 1(258.861,-75.474) 1(258.861,-75.474) 1(258.873,-80.529) 1(258.873,-80.529) 1(258.884,-80.825) 1(258.884,-80.825) 1(258.896,-80.529) 1(258.896,-80.529) 1(258.918,-75.462) 1(258.918,-75.462) 1(258.929,-80.87) 1(258.929,-80.87) 1(258.941,-75.439) 1(258.941,-75.439) 1(258.963,-80.608) 1(258.963,-80.608) 1(258.986,-80.608) 1(258.986,-80.608) 1(258.998,-75.428) 1(258.998,-75.428) 1(259.009,-80.904) 1(259.009,-80.904) 1(259.043,-80.939) 1(259.043,-80.939) 1(259.054,-75.394) 1(259.054,-75.394) 1(259.077,-80.949) 1(259.077,-80.949) 1(259.088,-80.722) 1(259.088,-80.722) 1(259.1,-80.984) 1(259.1,-80.984) 1(259.1,-74.928) 1(259.1,-74.928) 1(259.111,-80.722) 1(259.111,-80.722) 1(259.111,-75.382) 1(259.111,-75.382) 1(259.18,-81.029) 1(259.18,-81.029) 1(259.202,-80.825) 1(259.202,-80.825) 1(259.202,-75.337) 1(259.202,-75.337) 1(259.202,-74.882) 1(259.202,-74.882) 1(259.225,-80.939) 1(259.225,-80.939) 1(259.225,-80.825) 1(259.225,-80.825) 1(259.236,-80.939) 1(259.236,-80.939) 1(259.236,-80.87) 1(259.236,-80.87) 1(259.236,-80.859) 1(259.236,-80.859) 1(259.247,-81.018) 1(259.247,-81.018) 1(259.247,-80.882) 1(259.247,-80.882) 1(259.259,-81.018) 1(259.259,-81.018) 1(259.259,-80.859) 1(259.259,-80.859) 1(259.259,-75.325) 1(259.259,-75.325) 1(259.27,-81.052) 1(259.27,-81.052) 1(259.315,-75.292) 1(259.315,-75.292) 1(259.372,-75.28) 1(259.372,-75.28) 1(259.395,-75.258) 1(259.395,-75.258) 1(259.417,-74.849) 1(259.417,-74.849) 1(259.452,-75.246) 1(259.452,-75.246) 1(259.452,-74.826) 1(259.452,-74.826) 1(259.531,-75.201) 1(259.531,-75.201) 1(259.531,-74.814) 1(259.531,-74.814) 1(259.588,-75.19) 1(259.588,-75.19) 1(259.634,-75.155) 1(259.634,-75.155) 1(259.691,-75.144) 1(259.691,-75.144) 1(259.713,-75.121) 1(259.713,-75.121) 1(259.77,-75.11) 1(259.77,-75.11) 1(259.827,-75.076) 1(259.827,-75.076) 1(259.883,-75.064) 1(259.883,-75.064) 1(259.952,-74.712) 1(259.952,-74.712) 1(260.066,-74.962) 1(260.066,-74.962) 1(260.122,-74.951) 1(260.122,-74.951) 1(260.145,-74.928) 1(260.145,-74.928) 1(260.202,-74.917) 1(260.202,-74.917) 1(260.27,-74.633) 1(260.27,-74.633) 1(260.293,-74.86) 1(260.293,-74.86) 1(260.373,-74.837) 1(260.373,-74.837) 1(260.452,-74.78) 1(260.452,-74.78) 1(260.554,-74.735) 1(260.554,-74.735) 1(260.554,-74.598) 1(260.554,-74.598) 1(260.622,-74.667) 1(260.622,-74.667) 1(260.634,-74.622) 1(260.634,-74.622)

## Via types
v1: diameter 0.625, hole 0.3, Top Layer to Bottom Layer, tented both sides, 79 vias
v2: diameter 0.85, hole 0.5, Top Layer to Bottom Layer, tented both sides, 5 vias
v3: diameter 0.625, hole 0.3, Top Layer to Bottom Layer, 1 vias

## Nets (pads, with @x,y where several pads share a name; then routed paths per layer and width w, separated by ;. In a path a pad name is that pad's centre, name@x,y a point inside that pad or via, vN(x,y) a via of type N, cw(c..) or ccw(c..) an arc to the next point about the centre after c; other vN are vias at no path point)
+3.3V: C1.2 C2.2 C3.2 C5.2 C30.2 C48.2 C50.2 D15.A L6.1 P2.9 P2.12 SD2.4 U7.28 U8.3 VR1.2 | length 38.8
  Top Layer w0.203: D15.A@21,41.17 23.03,41.17 v2(24.1,40.1) 25.27,40.1 C1.2@25.4,40.23 25.425,40.23 26.019,39.636 26.019,39.281 v1(26.1,39.2) ; SD2.4@32.76,36.92 33.008,37.168 v1(33.008,38.108) ; C3.2@43.7,40.015 44.993,40.015 45,40.007 45.993,40.007 v1(46,40) ; v1(55.5,44.1) 56.89,44.1 L6.1@56.9,44.09 ; v1(60.6,36.8) 60.6,38.185 C30.2@60.64,38.225 60.64,40.345 C48.2@60.645,40.35 ; v1(61.985,43.516) 61.99,43.521 62.796,43.521 C50.2@62.8,43.525 62.812,43.513 63.637,43.513 63.742,43.617 64.356,43.617 64.458,43.515 65.61,43.515 U7.28@65.625,43.5
  Top Layer w0.305: VR1.2@45.875,45.15 C5.2@47.84,45.15 ; C5.2@47.9,45.09 C5.2@47.84,45.15 ; v1(48.7,48.3) 48.639,48.239 48.389,48.239 47.85,47.7 U8.3@47.8,47.7 47.8,45.19 C5.2@47.84,45.15
  PWR w0.203: v1(55.5,44.1) 56.084,43.516 v1(61.985,43.516)
  Bottom Layer w0.203: v1(26.1,39.2) 30.273,39.2 31.177,38.296 31.177,38.25 31.744,37.683 32.561,37.683 32.986,38.108 v1(33.008,38.108)